# KiCad board PROC099A_PCB-PcbDoc.kicad_pcb (continued)
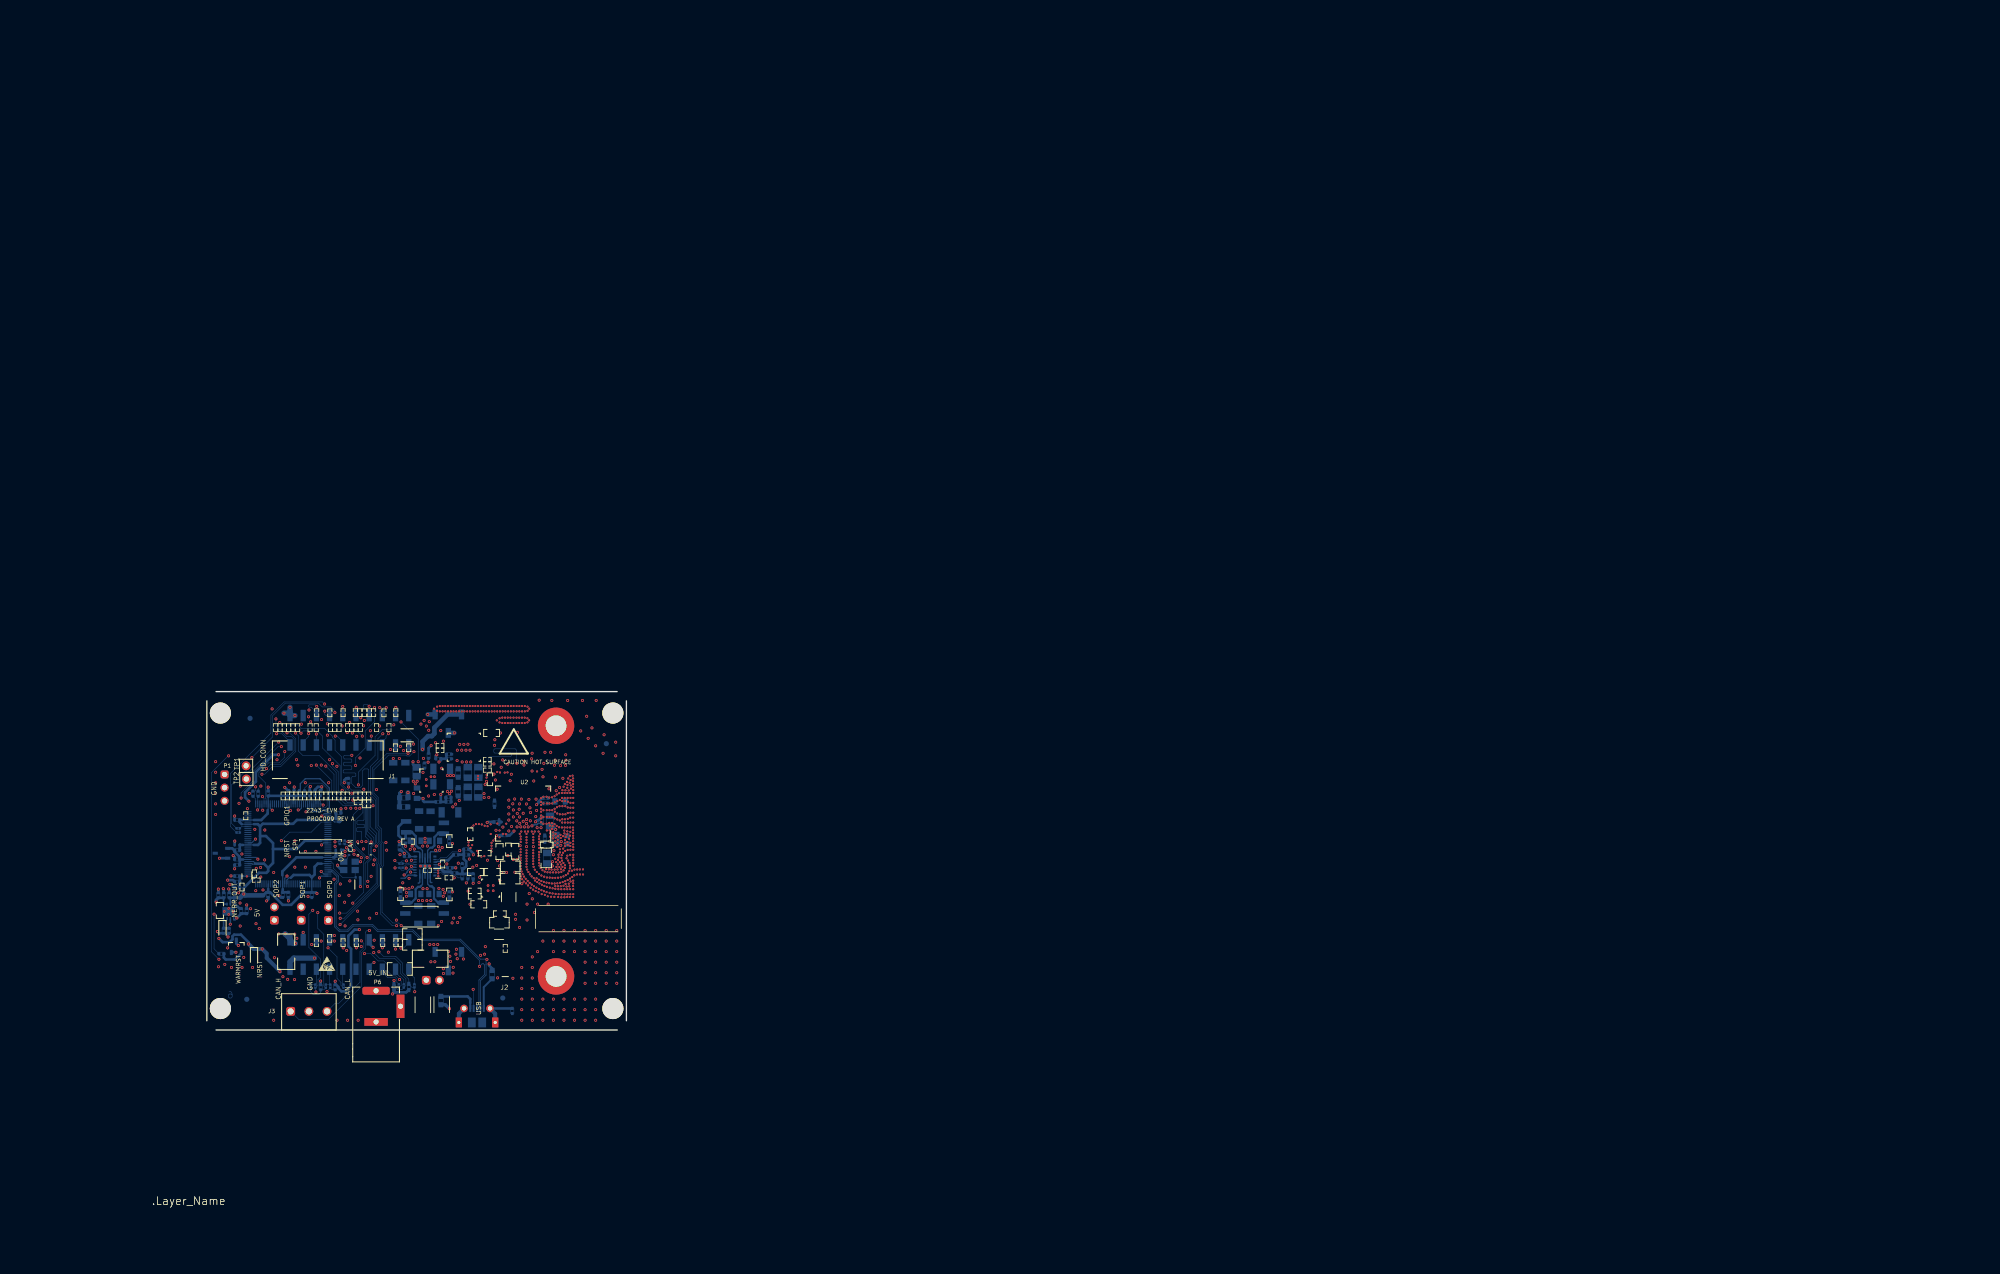
[diagram p0: board, top side]
## Routing (per net, layer and track width the routed paths; a pad name or vN(x,y) marks a point on that pad's centre or on a via; arc(x,y) is an arc through that point) (continued)
VBUS_1_DETECT: length 3.8
  Bottom w0.203: 6.89,29.63 U6.1
  Bottom w0.508: 6.33,27.44 6.33,28.54 6.34,28.55 6.34,29.62 6.35,29.63 6.89,29.63
VDDC_1: length 17.8
  Bottom w0.203: 22.21,33.23 24.31,33.23 ; 14.54,29.8 14.61,29.73 14.61,27.12
  Bottom w0.508: 14.61,27.12 14.61,26.52 14.62,26.52 15.71,26.52 ; 22.21,33.23 17.24,33.23 14.54,30.52 14.54,29.8 ; 24.83,34.64 C64.2 24.83,33.48 24.58,33.23 24.31,33.23
(no net): length 39.9
  In4.Cu w0.004: 45.27,49.35 arc(45.27,49.36) 45.27,49.36
  In4.Cu w0.005: 41.65,42.97 arc(41.65,42.97) 41.66,42.97
  In4.Cu w0.025: 45.18,45.04 arc(45.23,44.94) 45.27,44.83 arc(45.33,44.71) 45.39,44.58 arc(45.43,44.48) 45.45,44.38 arc(45.47,44.29) 45.47,44.2 arc(45.47,44.11) 45.46,44.02 arc(45.44,43.94) 45.43,43.86 arc(45.42,43.82) 45.4,43.78 ; 44.3,46.11 arc(44.28,46.07) 44.26,46.04 arc(44.25,46) 44.23,45.96 arc(44.22,45.93) 44.21,45.89 arc(44.2,45.87) 44.19,45.84 arc(44.18,45.77) 44.17,45.71 arc(44.16,45.63) 44.15,45.55 ; 45.23,43.78 arc(45.24,43.76) 45.26,43.75 arc(45.29,43.73) 45.32,43.73 arc(45.34,43.73) 45.37,43.74 arc(45.39,43.76) 45.4,43.78 ; 45.12,46.33 arc(45.1,46.3) 45.08,46.26 arc(45.05,46.21) 45.03,46.17 arc(45.01,46.12) 44.99,46.08 arc(44.96,45.99) 44.94,45.89 arc(44.91,45.79) 44.9,45.68 arc(44.89,45.58) 44.89,45.48 arc(44.89,45.38) 44.91,45.28 arc(44.92,45.21) 44.93,45.15 arc(44.95,45.09) 44.97,45.03 arc(44.99,44.97) 45.02,44.91 arc(45.05,44.84) 45.08,44.78 ; 41.65,42.99 arc(41.64,42.98) 41.65,42.97 ; 44.29,43.9 arc(44.3,43.92) 44.3,43.95 arc(44.31,43.97) 44.31,44 arc(44.32,44.04) 44.32,44.07 arc(44.32,44.09) 44.32,44.12 arc(44.33,44.19) 44.32,44.25 arc(44.31,44.31) 44.3,44.37 arc(44.28,44.45) 44.25,44.51 arc(44.21,44.61) 44.17,44.7 arc(44.12,44.79) 44.08,44.88 arc(44.06,44.93) 44.04,44.98 arc(44.02,45.03) 44.01,45.07 arc(43.99,45.13) 43.98,45.19 arc(43.97,45.25) 43.96,45.31 arc(43.96,45.38) 43.95,45.46 arc(43.95,45.53) 43.95,45.6 arc(43.95,45.65) 43.96,45.7 arc(43.98,45.8) 44,45.89 ; 44.17,45.27 arc(44.18,45.21) 44.2,45.15 arc(44.21,45.11) 44.22,45.06 arc(44.24,45.01) 44.26,44.96 arc(44.3,44.88) 44.35,44.79 arc(44.4,44.69) 44.44,44.58 ; 45.14,45.89 arc(45.12,45.8) 45.11,45.71 arc(45.1,45.62) 45.1,45.53 ; 49.08,42.71 arc(49.1,42.75) 49.11,42.79 arc(49.1,42.85) 49.07,42.91 arc(49.02,43.04) 48.96,43.15 ; 48.67,42.97 arc(48.69,42.99) 48.69,43.01 ; 41.99,44.21 arc(41.76,43.8) 41.53,43.39 arc(41.39,43.14) 41.26,42.89 ; 47.86,45.18 arc(47.85,45.21) 47.83,45.24 ; 45.25,44.36 arc(45.24,44.4) 45.23,44.44 arc(45.21,44.49) 45.19,44.54 arc(45.17,44.59) 45.14,44.65 arc(45.11,44.71) 45.08,44.78 ; 44.51,44.33 arc(44.52,44.25) 44.52,44.16 arc(44.52,44.05) 44.51,43.94 arc(44.5,43.87) 44.47,43.8 arc(44.45,43.76) 44.41,43.73 arc(44.38,43.72) 44.34,43.72 arc(44.32,43.73) 44.3,43.74 arc(44.29,43.76) 44.28,43.78 arc(44.28,43.8) 44.28,43.83 arc(44.28,43.86) 44.29,43.9 ; 44.44,44.58 arc(44.47,44.52) 44.49,44.45 arc(44.51,44.39) 44.51,44.33 ; 48.28,44.42 arc(48.18,44.6) 48.08,44.79 ; 45.18,45.04 arc(45.15,45.12) 45.13,45.19 arc(45.11,45.27) 45.1,45.34 arc(45.1,45.44) 45.1,45.53 ; 44,45.89 arc(44.02,45.98) 44.06,46.07 arc(44.09,46.15) 44.12,46.22 arc(44.16,46.28) 44.2,46.33 arc(44.21,46.35) 44.21,46.36 arc(44.22,46.36) 44.24,46.37 arc(44.24,46.37) 44.25,46.38 arc(44.26,46.38) 44.27,46.38 arc(44.29,46.38) 44.31,46.37 arc(44.33,46.36) 44.34,46.35 arc(44.36,46.34) 44.37,46.32 arc(44.37,46.31) 44.37,46.29 arc(44.37,46.28) 44.37,46.27 arc(44.36,46.25) 44.35,46.22 arc(44.34,46.2) 44.32,46.17 arc(44.31,46.14) 44.3,46.11 ; 44.17,45.27 arc(44.16,45.33) 44.15,45.4 arc(44.15,45.47) 44.15,45.55 ; 45.23,43.79 arc(45.22,43.82) 45.22,43.86 arc(45.23,43.91) 45.24,43.97 arc(45.25,44.01) 45.26,44.06 arc(45.26,44.11) 45.27,44.17 arc(45.26,44.22) 45.26,44.28 arc(45.26,44.32) 45.25,44.36 ; 45.27,46.19 arc(45.29,46.22) 45.3,46.25 arc(45.31,46.27) 45.32,46.29 arc(45.32,46.3) 45.31,46.32 arc(45.31,46.34) 45.29,46.36 arc(45.28,46.37) 45.27,46.38 arc(45.25,46.39) 45.23,46.39 arc(45.21,46.39) 45.19,46.39 arc(45.17,46.38) 45.15,46.37 arc(45.14,46.35) 45.12,46.33 ; 46.16,48.35 arc(46.18,48.3) 46.21,48.25 arc(46.35,47.99) 46.5,47.72 ; 45.78,49.05 arc(45.71,49.18) 45.64,49.3 arc(45.58,49.41) 45.52,49.52 arc(45.47,49.61) 45.42,49.7 arc(45.41,49.72) 45.39,49.74 arc(45.38,49.75) 45.36,49.76 ; 47.87,45.16 arc(47.88,45.15) 47.88,45.14 arc(47.89,45.13) 47.89,45.13 arc(47.89,45.12) 47.89,45.12 ; 45.27,49.36 arc(45.26,49.35) 45.25,49.35 ; 45.2,46.05 arc(45.17,45.97) 45.14,45.89 ; 45.36,49.76 arc(45.33,49.77) 45.31,49.78 arc(45.28,49.78) 45.26,49.79 arc(45.23,49.78) 45.2,49.78 arc(45.19,49.78) 45.19,49.77 arc(45.18,49.77) 45.17,49.77 arc(45.16,49.76) 45.15,49.75 arc(45.15,49.75) 45.14,49.74 arc(45.13,49.73) 45.12,49.71 ; 47.86,45.18 arc(47.87,45.17) 47.87,45.16 ; 48.96,43.15 arc(48.73,43.57) 48.51,43.99 ; 45.27,46.19 arc(45.23,46.12) 45.2,46.05
  In5.Cu w0.001: 10.63,33.48 arc(10.63,33.48) 10.63,33.48
  In5.Cu w0.1: 9.26,39.39 arc(9.3,39.28) 9.41,39.24 ; 12.05,33.51 arc(12,33.59) 11.9,33.63 ; 12.98,35.98 arc(12.98,35.94) 13,35.9 ; 10.12,41.99 arc(10.04,41.96) 9.99,41.89 ; 10.39,39.41 arc(10.29,39.38) 10.24,39.29 ; 10.08,36.21 arc(10,36.18) 9.96,36.11 ; 9.33,35.08 arc(9.31,35.16) 9.26,35.23 ; 12.36,41.89 arc(12.45,41.92) 12.5,41.99 ; 11.75,33.62 arc(11.75,33.62) 11.75,33.62 ; 12.91,39.24 arc(13.02,39.28) 13.06,39.39 ; 58.34,10.29 arc(58.62,10.41) 58.74,10.69 ; 13.06,41.89 arc(13.02,42) 12.91,42.04 ; 9.79,36.21 arc(9.84,36.13) 9.93,36.11 ; 10.65,41.89 arc(10.72,41.9) 10.78,41.94 arc(10.84,41.98) 10.91,41.99 ; 56.14,10.69 arc(56.26,10.41) 56.54,10.29 ; 51.87,35.02 arc(51.78,35.23) 51.57,35.32 ; 12.88,33.46 arc(12.98,33.5) 13.03,33.61 ; 10.5,33.62 arc(10.5,33.62) 10.5,33.62 arc(10.5,33.62) 10.5,33.62 arc(10.5,33.62) 10.49,33.62 arc(10.49,33.62) 10.49,33.62 arc(10.49,33.62) 10.49,33.62 arc(10.49,33.62) 10.49,33.62 arc(10.48,33.63) 10.48,33.63 arc(10.48,33.63) 10.48,33.63 ; 51.87,35.62 arc(51.96,35.41) 52.17,35.32 ; 9.26,34.48 arc(9.31,34.55) 9.33,34.63 ; 13.03,39.59 arc(13.02,39.56) 13.01,39.52 ; 9.41,42.04 arc(9.3,42) 9.26,41.89 ; 53.57,35.32 arc(53.78,35.41) 53.87,35.62 ; 13,33.81 arc(12.98,33.77) 12.98,33.73 ; 9.26,35.9 arc(9.27,35.94) 9.28,35.98 ; 11.78,39.41 arc(11.78,39.41) 11.78,39.41 ; 10.53,39.41 arc(10.53,39.41) 10.53,39.41 arc(10.53,39.41) 10.53,39.41 arc(10.53,39.41) 10.53,39.41 arc(10.53,39.41) 10.52,39.41 arc(10.52,39.41) 10.52,39.41 arc(10.52,39.41) 10.52,39.41 arc(10.52,39.41) 10.52,39.41 arc(10.51,39.41) 10.51,39.41 ; 12.96,40.42 arc(12.98,40.33) 13.03,40.26 ; 9.29,40.26 arc(9.34,40.33) 9.36,40.42 ; 13,35.23 arc(12.95,35.16) 12.93,35.08 ; 53.87,38.32 arc(53.96,38.11) 54.17,38.02 ; 10.54,39.41 arc(10.54,39.41) 10.54,39.41 ; 10.61,36.11 arc(10.68,36.12) 10.75,36.16 arc(10.81,36.19) 10.88,36.21 ; 12.33,41.89 arc(12.29,41.96) 12.21,41.99 ; 52.17,38.02 arc(51.96,37.93) 51.87,37.72 ; 9.36,40.87 arc(9.34,40.95) 9.29,41.02 ; 9.29,41.69 arc(9.31,41.72) 9.31,41.76 ; 51.57,38.02 arc(51.78,38.11) 51.87,38.32 ; 11.64,36.11 arc(11.57,36.12) 11.51,36.16 arc(11.45,36.19) 11.38,36.21 ; 53.87,37.72 arc(53.78,37.93) 53.57,38.02 ; 9.23,33.61 arc(9.27,33.5) 9.38,33.46 ; 12.3,36.11 arc(12.25,36.18) 12.17,36.21 ; 12.33,36.11 arc(12.41,36.13) 12.47,36.21 ; 13.03,41.02 arc(12.98,40.95) 12.96,40.87 ; 12.93,34.63 arc(12.95,34.55) 13,34.48 ; 11.76,33.62 arc(11.76,33.62) 11.76,33.62 arc(11.76,33.62) 11.76,33.62 arc(11.76,33.62) 11.76,33.62 arc(11.76,33.62) 11.77,33.62 arc(11.77,33.62) 11.77,33.62 arc(11.77,33.62) 11.77,33.63 arc(11.77,33.63) 11.77,33.63 arc(11.78,33.63) 11.78,33.63 ; 54.17,35.32 arc(53.96,35.23) 53.87,35.02 ; 12.08,39.29 arc(12.03,39.38) 11.93,39.41 ; 10.51,33.62 arc(10.51,33.62) 10.5,33.62 ; 11.81,39.41 arc(11.81,39.41) 11.81,39.41 arc(11.8,39.41) 11.8,39.41 arc(11.8,39.41) 11.8,39.41 arc(11.8,39.41) 11.8,39.41 arc(11.8,39.41) 11.79,39.41 arc(11.79,39.41) 11.79,39.41 arc(11.79,39.41) 11.79,39.41 arc(11.79,39.41) 11.79,39.41 ; 11.68,41.89 arc(11.6,41.9) 11.54,41.94 arc(11.48,41.98) 11.41,41.99 ; 13.03,36.11 arc(12.98,36.21) 12.88,36.26 ; 56.54,12.89 arc(56.26,12.77) 56.14,12.49 ; 9.82,41.99 arc(9.87,41.92) 9.96,41.89 ; 10.35,33.63 arc(10.26,33.59) 10.21,33.51 ; 13.01,41.76 arc(13.02,41.72) 13.03,41.69 ; 58.74,12.49 arc(58.62,12.77) 58.34,12.89 ; 9.28,33.73 arc(9.27,33.77) 9.26,33.81 ; 9.38,36.26 arc(9.27,36.21) 9.23,36.11 ; 9.31,39.52 arc(9.31,39.56) 9.29,39.59
  In5.Cu w0.127: 28.54,26.19 arc(28.58,26.1) 28.67,26.06 ; 79.78,23.35 arc(79.6,23.8) 79.15,23.98 ; 33.44,29.84 arc(33.4,29.92) 33.31,29.96 ; 33.31,26.06 arc(33.4,26.1) 33.44,26.19 ; 63.27,19.54 arc(63.46,19.09) 63.91,18.9 ; 63.91,23.98 arc(63.46,23.8) 63.27,23.35 ; 79.15,18.9 arc(79.6,19.09) 79.78,19.54 ; 28.67,29.96 arc(28.58,29.92) 28.54,29.84 ; 32.84,28.57 arc(32.25,29.16) 31.65,28.57 arc(32.25,27.97) 32.84,28.57
  In6.Cu w0.127: 48.4,-0.96 arc(48.53,-0.85) 48.58,-0.69 ; 55.48,-0.69 arc(55.53,-0.85) 55.65,-0.96
AR_1P3_RF1: length 3.4
  Bottom w0.508: R131.2 47.02,43.92 C46.2
  In7.Cu w0.254: U2.G5 U2.J5
  In7.Cu w0.381: U2.G5 63.25,41.02 v1(63.32,41.08) ; v1(63.48,42.27) 63.44,42.32 U2.J5
  vias: v1(46.74,45.51) v1(47.09,45.98) v2(68.38,44.69) v2(68.43,44.07) v2(68.9,44.69) v2(68.99,44.07) v2(69.46,44.68) v2(69.54,43.96)
AR_1P3_RF2: length 5.3
  In7.Cu w0.254: U2.C2 U2.D2
  In7.Cu w0.381: U2.D2 64.45,39.07 v1(64.34,38.95)
  In7.Cu w0.508: v1(64.34,38.95) 63.59,38.95 v1(63.58,38.96) ; v1(47.49,48.99) v1(46.9,48.99) v1(46.31,48.99) 46.09,48.77 46.09,48.02 45.35,47.28 45.25,47.28
AR_1V2: length 12.5
  Bottom w0.508: v1(53.58,47.28) 53.84,47.53 v1(53.84,47.87)
  In7.Cu w0.254: U2.P14 55.88,45.57 55.21,46.23 ; U2.R14 56.99,46.64 56.15,47.47
  In7.Cu w0.305: U2.R6 62.19,46.72 62.02,46.89 62.02,47.45 62.03,47.46
  In7.Cu w0.381: v1(58.13,40.42) 58.08,40.37 U2.F13 ; U2.N11 58.94,44.81 59.25,44.5 v1(59.25,44.48)
  In7.Cu w0.508: v1(55.54,48.13) 55.7,47.98 56.09,47.99 C4.1 56.15,47.47 ; 62.61,49.86 62.61,49.11 62.03,48.53 62.03,47.46 ; 62.61,49.86 62.66,49.86 ; 62.61,49.86 v1(62.6,49.86) ; 54.49,47.78 C6.1 55.21,46.94 55.21,46.23
  vias: v1(47.35,42.96) v1(47.88,43.49)
AR_1V4_APLL: length 2.1
  In7.Cu w0.508: 59.46,36.68 59.46,36.98 U2.A10
  In7.Cu w0.635: 59.46,36.68 59.22,36.45 59.22,35.34 C13.1
AR_1V4_SYNTH: length 2.5
  In7.Cu w0.254: 57.11,36.58 U2.A13
  In7.Cu w0.508: C14.1 56.34,35.82 57.11,36.58
AR_1V8: length 21.2
  Bottom w0.508: 64.66,44.65 64.53,44.65 63.85,43.97 63.85,43.75 v1(63.48,43.38) ; 56.27,40.04 C53.1 56.76,40.04 ; 56.27,40.04 56.27,40.58 ; 56.27,40.04 56.27,39.51 ; C51.1 64.43,40.96 63.84,40.38 63.57,40.38 v1(63.28,40.09)
  In7.Cu w0.254: 58.21,36.42 58.94,37.15 U2.B11 ; U2.B12 58.29,37.15 57.63,36.48 57.63,36.14 ; 58.09,32.84 58.61,33.36 58.61,34.87 58.23,35.25 58.05,35.25
  In7.Cu w0.305: U2.F5 63.01,40.37
  In7.Cu w0.381: 58.21,36.42 58.21,35.41 58.05,35.25 ; U2.K13 58.05,42.97 v1(58.13,42.89) ; 63.01,40.37 v1(63.28,40.09) ; v1(63.48,43.38) 63.07,42.97 U2.K5 ; v1(58.66,39.18) 58.55,39.07 U2.D13
  In7.Cu w0.508: 57.26,32.44 57.26,35.77 57.63,36.14 ; v1(52.52,29.4) C91.2 ; 58.09,32.84 57.78,32.53 57.78,32.31
  vias: v1(56.35,31.59) v1(56.41,28.78) v1(56.68,30.3) v1(57.7,30.32)
AR_ANAMUX: length 57.7
  In2.Cu w0.127: v1(58.13,38.32) 56.95,38.32 56.11,39.16 12.82,39.16 12.39,39.59 7.95,39.59 3.4,44.13
  In7.Cu w0.102: v1(58.13,38.32) 58.04,38.42 U2.C13
AR_ANATEST1: length 97.1
  In2.Cu w0.127: v1(68.09,50.9) 68.09,50.08 67.99,49.98 67.99,48.25 70.48,45.77 70.48,32.27 67.45,29.24 63.07,29.24 56.63,22.8 56.63,12.91 54.25,10.52 51.52,10.52 50.17,11.88 50.17,14.67 48.33,16.51 45.95,16.51 43.18,13.74 27.02,13.74 23.65,17.12 v1(22.02,17.12)
  In7.Cu w0.102: R104.2 21.76,17.14 21.76,17.12 v1(22.02,17.12) ; v1(68.09,50.9) 67.73,50.54 67.73,48.28 66.92,47.48 66.92,46.88 65.61,45.57 U2.P1
AR_ANATEST2: length 91
  In2.Cu w0.127: v1(67.13,48.67) 70.06,45.74 70.06,32.49 67.26,29.68 62.95,29.68 56.26,23 56.26,12.99 54.2,10.92 51.79,10.92 50.57,12.14 50.57,14.94 47.97,17.54 36.5,17.54 33.15,14.18 27.08,14.18 25.19,16.08 25.19,17.55 v1(24.56,18.19)
  In7.Cu w0.102: v1(67.13,48.67) 66.74,48.28 66.74,47.97 65.12,46.34 65.12,45.89 U2.P2 ; v1(24.56,18.19) 23.86,18.19 R94.2
AR_ANATEST3: length 93.2
  In2.Cu w0.127: v1(26.91,15.32) 27.53,15.32 27.8,15.05 29.74,15.05 31.12,16.44 33.1,16.44 34.73,18.06 48.14,18.06 50.96,15.24 50.96,12.35 51.99,11.32 54.13,11.32 55.85,13.04 55.85,24.13 61.77,30.05 66.99,30.05 69.63,32.7 69.63,42.01 65.42,46.22 65.42,47.11 66.3,47.99 66.3,50.36 v1(66.91,50.97)
  In7.Cu w0.102: U2.P3 64.47,45.9 64.47,46.47 66.11,48.11 66.11,50.17 v1(66.91,50.97) ; R105.2 26.26,17.14 26.91,16.49 v1(26.91,15.32)
AR_ANATEST4: length 90.6
  In2.Cu w0.127: v1(67.05,51.97) 65.92,50.84 65.92,48.14 65.09,47.31 65.09,46.06 69.16,42 69.16,32.92 66.84,30.6 61.67,30.6 55.44,24.37 55.44,13.07 54.09,11.72 52.14,11.72 51.31,12.55 51.31,15.62 48.32,18.61 34.65,18.61 32.81,16.77 30.42,16.77 v1(29.72,16.07)
  In7.Cu w0.102: R106.2 28.81,17.14 29.27,16.68 29.27,16.51 v1(29.72,16.07) ; v1(67.05,51.97) 67.44,51.58 67.44,50.4 66.4,49.36 66.4,48.09 64.79,46.48 U2.R2
AR_BSS_LOGGER: length 87.1
  In2.Cu w0.127: v1(64.87,51.34) 63.5,52.7 61.4,52.7 60.59,53.51 60.59,55.12 56.14,59.57 47.74,59.57 45.02,56.84 38.77,56.84 36.31,59.3 35.63,59.3 34.87,58.53 v1(33.26,58.53) 31.04,58.53 30.54,58.03 28.61,58.03 28.44,58.2 26.72,58.2 26.55,58.03 21.33,58.03 19.15,55.86 14.97,55.86 14.56,55.45 v1(13.84,55.45)
  Bottom w0.102: v1(13.84,55.45) 8.12,49.73 7.29,49.73 4.77,47.21 4.77,39.76 R135.1
  In7.Cu w0.102: v1(64.87,51.34) 65.23,50.98 65.23,48.15 63.49,46.4 U2.R4
  In7.Cu w0.127: v1(33.26,58.53) 32.72,58.53 32.65,58.46
AR_CS1: length 71.1
  In2.Cu w0.102: v1(29.72,33.18) 29.31,33.18 29.15,33.02 28.3,33.02 27.65,33.67 27.65,34.64 28.38,35.37 31.54,35.37 34.24,38.08 52.9,38.08 54.17,36.81 63.98,36.81 66.71,39.54 66.71,44.04 64.78,45.98 64.78,47.49 65.49,48.21 65.49,51.47 63.82,53.14 63.24,53.14 63.09,53.29 v1(62.61,53.29)
  In7.Cu w0.102: v1(62.61,53.29) 61.95,52.63 61.95,51.8 62.21,51.55 62.21,50.66 61.3,49.75 61.3,46.72 61.42,46.59 61.42,46.33 U2.R7 ; U13.10 30.14,33.6 v1(29.72,33.18)
AR_GPIO_0: length 94.4
  In2.Cu w0.127: v1(68.54,48.46) 70.93,46.06 70.93,32.08 67.64,28.79 63.22,28.79 57.03,22.6 57.03,12.83 54.23,10.03 50.45,10.03 48.26,7.83 40.38,7.83 38.5,9.72 v1(37.1,9.72)
  In3.Cu w0.152: v1(68.54,48.46) 67.89,47.8 66.1,47.8 63.42,45.12 63.42,44.49 v1(63.38,44.45)
  Bottom w0.102: R164.1 37.41,8.6 37.41,9.41 v1(37.1,9.72) 36.39,10.43 35.71,10.43 34.78,11.36 34.78,12.59 34.07,13.3 32.97,13.3 31.56,14.71 v1(30.35,14.71)
  In7.Cu w0.102: v1(30.35,14.71) 30.35,17.92 31.01,18.58 31.42,18.58 31.84,19 31.84,19.24 33.33,20.72 R177.2 ; U2.N4 63.49,44.56 v1(63.38,44.45)
AR_GPIO_1: length 95.5
  In2.Cu w0.102: v1(7.81,42.61) 8.75,43.55 8.75,47.31 9.3,47.85 9.3,51.83 v1(8.68,52.45)
  In2.Cu w0.127: v1(66.19,53.47) 65.66,53.99 65.25,53.99 55.6,63.64 26.63,63.64 24.66,61.67 v1(24.66,61.11)
  In3.Cu w0.152: v1(66.19,53.47) 66.19,48.57 v1(62.01,44.39)
  Bottom w0.102: 24.48,61.01 24.57,61.11 v1(24.66,61.11) 24.66,61.44 23.9,62.2 22.22,62.2 21.49,62.93 15.1,62.93 12.59,60.43 12.59,56.36 v1(8.68,52.45)
  In7.Cu w0.102: R72.2 7.81,41.89 v1(7.81,42.61) ; U2.N7 62.01,44.45 v1(62.01,44.39) ; v1(24.66,61.11) 24.29,60.74 R9.2
AR_GPIO_2: length 114.4
  In2.Cu w0.127: v1(40.69,51.65) 39.82,50.78 32.83,50.78 30.09,53.52 17.37,53.52 15.08,51.23 11.63,51.23 9.65,53.21 4.62,53.21 v1(4.18,52.78)
  Bottom w0.102: v1(4.18,52.78) 4.11,52.78 0.87,49.54 0.87,15.08 v1(2.33,13.61) ; v1(40.69,51.65) 40.69,56 v1(37.38,59.31)
  In7.Cu w0.102: 2.33,15.81 2.33,15.8 v1(2.33,13.61) ; U2.N13 57.44,44.92 57.12,45.24 55.62,45.24 54.12,46.74 52.54,46.74 48.3,50.98 47.39,50.98 46.76,51.61 45.73,51.61 45.22,52.11 42.37,52.11 41.91,51.65 v1(40.69,51.65) ; v1(37.38,59.31) 37.38,59.76 R8.2
AR_HOSTINTR1: length 61.8
  In2.Cu w0.127: v1(62.51,52.2) 61.49,52.2 59.81,53.88 59.81,55.32 55.96,59.17 47.84,59.17 45,56.33 38.41,56.33 v1(35.99,58.76)
  Bottom w0.102: v1(29.18,47.19) 29.18,49.66 32.38,52.86 32.38,56.44 33.74,57.81 35.03,57.81 v1(35.99,58.76)
  In7.Cu w0.102: R64.2 28.9,44.74 29.1,44.93 29.1,47.12 v1(29.18,47.19) ; R13.2 33.72,60.37 R10.2 34.5,60.33 34.82,60.33 35.99,59.16 v1(35.99,58.76) ; v1(62.51,52.2) 62.51,50.67 61.5,49.67 61.5,46.9 61.87,46.53 61.87,45.89 U2.P6
AR_LVDS_VALID_N: length 49
  In7.Cu w0.102: 56.17,44.59 56.66,44.59 U2.N14
  In7.Cu w0.132: 56.17,44.59 55.25,44.59 53.84,46 53.1,46 52.65,45.56 51.24,45.56 50.74,46.06 50.74,47.43 50.58,47.59 50.36,47.59 50.21,47.43 50.21,45.85 49.41,45.05 48.17,45.05 46.6,43.48 38.38,43.48 37.42,44.44 35.96,44.44 35.62,44.78 35.62,47.38 35.22,47.78 34.3,47.78 33.93,47.41 33.93,42.9 32.62,41.59 24.93,41.59 24.59,41.92 R60.2
AR_LVDS_VALID_P: length 49
  In7.Cu w0.132: U2.N15 56.24,44.92 56.17,44.85 55.36,44.85 53.94,46.26 52.99,46.26 52.55,45.82 51.34,45.82 51,46.17 51,47.54 50.69,47.85 50.25,47.85 49.95,47.54 49.95,45.96 49.3,45.31 48.07,45.31 46.49,43.74 38.48,43.74 37.53,44.69 36.07,44.69 35.87,44.89 35.87,47.49 35.33,48.04 34.19,48.04 33.67,47.52 33.67,43.01 32.51,41.85 25.03,41.85 24.85,42.03 24.85,43.4 25.09,43.64 25.64,43.64 25.77,43.77 25.77,44.01 25.64,44.15 25.34,44.15 25.22,44.27 25.22,44.54 R61.2
AR_LVDSCSI0_N: length 49
  In7.Cu w0.132: U2.G14 56.64,40.66 51.64,40.66 49.12,38.13 39.38,38.13 38.25,37 19.25,37 14.9,41.34 14.9,44.52 R48.2
AR_LVDSCSI0_P: length 49
  In7.Cu w0.132: U2.G15 56.03,41.02 55.93,40.92 51.54,40.92 49.01,38.39 39.27,38.39 38.14,37.26 19.36,37.26 15.16,41.45 15.16,43.61 15.29,43.74 15.86,43.74 16,43.87 16,44.09 15.86,44.22 15.46,44.22 15.32,44.35 15.32,44.54 R49.2
AR_LVDSCSI1_N: length 49
  In7.Cu w0.102: 56.16,41.34 56.66,41.34 U2.H14
  In7.Cu w0.132: R50.2 16.37,44.74 16.55,44.55 16.55,40.88 16.89,40.54 17.31,40.54 17.75,40.97 17.95,40.97 18.13,40.79 18.13,40.6 17.69,40.16 17.69,39.76 19.86,37.59 37.6,37.59 38.84,38.83 48.88,38.83 51.4,41.35 56.15,41.35 56.16,41.34
AR_LVDSCSI1_P: length 49
  In7.Cu w0.132: R51.2 16.99,44.55 16.99,44.35 17.09,44.25 17.51,44.25 17.67,44.08 17.67,43.9 17.54,43.76 16.96,43.76 16.81,43.62 16.81,40.98 17,40.79 17.21,40.79 17.64,41.23 18.06,41.23 18.39,40.9 18.39,40.5 17.95,40.05 17.95,39.87 19.97,37.85 37.49,37.85 38.73,39.09 48.77,39.09 51.29,41.61 56.28,41.61 U2.H15
AR_LVDSCSI2_N: length 49
  In7.Cu w0.102: 56.16,42.64 56.66,42.64 U2.K14
  In7.Cu w0.132: R54.2 19.66,41.62 22.5,38.78 22.98,38.78 23.28,39.09 23.28,39.46 23.44,39.61 23.66,39.61 23.81,39.46 23.81,39.09 24.12,38.78 24.55,38.78 24.86,39.09 24.86,39.46 25.01,39.61 25.23,39.61 25.39,39.46 25.39,39.09 25.69,38.78 26.13,38.78 26.43,39.09 26.43,39.46 26.59,39.61 26.81,39.61 26.96,39.46 26.96,39.09 27.27,38.78 27.7,38.78 28.01,39.09 28.01,39.46 28.16,39.61 28.38,39.61 28.54,39.46 28.54,39.09 28.84,38.78 29.28,38.78 29.58,39.09 29.58,39.46 29.74,39.61 29.96,39.61 30.11,39.46 30.11,39.09 30.42,38.78 36.67,38.78 38,40.11 48.09,40.11 50.69,42.71 56.09,42.71 56.16,42.64
AR_LVDSCSI2_P: length 49
  In7.Cu w0.132: U2.K15 50.58,42.97 47.99,40.37 37.89,40.37 36.56,39.04 30.52,39.04 30.37,39.19 30.37,39.57 30.06,39.87 29.63,39.87 29.32,39.57 29.32,39.19 29.17,39.04 28.95,39.04 28.8,39.19 28.8,39.57 28.49,39.87 28.06,39.87 27.75,39.57 27.75,39.19 27.59,39.04 27.38,39.04 27.22,39.19 27.22,39.57 26.91,39.87 26.48,39.87 26.17,39.57 26.17,39.19 26.02,39.04 25.8,39.04 25.65,39.19 25.65,39.57 25.34,39.87 24.91,39.87 24.6,39.57 24.6,39.19 24.44,39.04 24.23,39.04 24.07,39.19 24.07,39.57 23.76,39.87 23.33,39.87 23.02,39.57 23.02,39.19 22.87,39.04 22.61,39.04 19.92,41.73 19.92,43.42 20.19,43.69 20.77,43.69 20.9,43.82 20.9,44.04 20.77,44.17 20.45,44.17 20.31,44.3 20.31,44.56 R55.2
AR_LVDSCSI3_N: length 49
  In7.Cu w0.102: U2.L14 56.66,43.29 56.16,43.29
  In7.Cu w0.132: 56.16,43.29 56.09,43.36 50.35,43.36 47.71,40.72 43.45,40.72 43.15,41.02 43.15,41.72 43.01,41.85 42.75,41.85 42.62,41.72 42.62,41 42.33,40.72 41.85,40.72 41.57,41 41.57,41.72 41.44,41.85 41.17,41.85 41.04,41.72 41.04,41 40.76,40.72 40.28,40.72 40,41 40,41.72 39.86,41.85 39.6,41.85 39.47,41.72 39.47,41 39.18,40.72 38.68,40.72 38.42,40.98 38.42,41.72 38.29,41.85 38.02,41.85 37.89,41.72 37.89,41.02 36.29,39.42 31.26,39.42 30.47,40.21 22.06,40.21 21.3,40.97 21.3,44.73 R56.2
AR_LVDSCSI3_P: length 49
  In7.Cu w0.132: R57.2 21.96,44.58 21.96,44.37 22.07,44.27 22.42,44.27 22.55,44.14 22.55,43.92 22.39,43.76 21.84,43.76 21.56,43.48 21.56,41.07 22.16,40.47 30.58,40.47 31.36,39.68 36.18,39.68 37.63,41.13 37.63,41.83 37.92,42.11 38.4,42.11 38.68,41.83 38.68,41.09 38.79,40.98 39.08,40.98 39.21,41.11 39.21,41.83 39.49,42.11 39.97,42.11 40.25,41.83 40.25,41.11 40.39,40.98 40.65,40.98 40.78,41.11 40.78,41.83 41.07,42.11 41.55,42.11 41.83,41.83 41.83,41.11 41.96,40.98 42.23,40.98 42.36,41.11 42.36,41.83 42.64,42.11 43.12,42.11 43.4,41.83 43.4,41.13 43.56,40.98 47.61,40.98 50.25,43.62 U2.L15
AR_LVDSCSI_CLK_N: length 49
  In7.Cu w0.102: U2.J14 56.66,41.99 56.16,41.99
  In7.Cu w0.132: 56.16,41.99 56.09,42.06 51.15,42.06 48.53,39.44 38.32,39.44 37.03,38.15 20.17,38.15 19.7,38.61 19.7,39.01 20.45,39.77 20.45,39.98 20.3,40.14 20.08,40.14 19.3,39.36 18.9,39.36 18.56,39.7 18.56,40.1 19.04,40.58 19.04,40.8 18.08,41.76 18.08,44.65 R52.2
AR_LVDSCSI_CLK_P: length 49
  In7.Cu w0.132: R53.2 18.64,44.55 18.64,44.35 18.77,44.22 19.09,44.22 19.25,44.06 19.25,43.87 19.11,43.74 18.47,43.74 18.34,43.61 18.34,41.87 19.3,40.91 19.3,40.47 18.82,39.99 18.82,39.81 19.01,39.62 19.19,39.62 19.97,40.4 20.4,40.4 20.71,40.09 20.71,39.66 19.96,38.91 19.96,38.72 20.27,38.4 36.92,38.4 38.21,39.7 48.42,39.7 51.04,42.32 U2.J15
AR_LVDSCSI_FRCLK_N: length 49
  In7.Cu w0.102: 56.16,43.94 56.66,43.94 U2.M14
  In7.Cu w0.132: 56.16,43.94 56.09,44.01 50.02,44.01 47.64,41.62 44.5,41.62 43.59,42.53 37.39,42.53 36.53,43.4 36.34,43.4 36.15,43.2 36.15,43.02 37.25,41.93 37.25,41.49 36.94,41.19 36.51,41.19 35.15,42.55 34.92,42.55 34.76,42.39 34.76,42.15 35.92,40.98 35.92,40.58 35.57,40.23 35.09,40.23 35.07,40.25 33.82,41.5 33.52,41.5 33.35,41.33 33.35,40.7 32.69,40.03 31.77,40.03 30.9,40.9 23.42,40.9 22.94,41.38 R58.2
AR_LVDSCSI_FRCLK_P: length 49
  In7.Cu w0.132: R59.2 23.56,44.53 23.56,44.33 23.7,44.2 23.97,44.2 24.13,44.04 24.13,43.85 23.97,43.69 23.34,43.69 23.2,43.55 23.2,41.48 23.53,41.16 31.01,41.16 31.88,40.29 32.58,40.29 33.09,40.8 33.09,41.44 33.41,41.76 33.93,41.76 35.2,40.49 35.46,40.49 35.66,40.69 35.66,40.88 34.5,42.04 34.5,42.5 34.81,42.81 35.25,42.81 36.61,41.45 36.83,41.45 36.99,41.6 36.99,41.82 35.89,42.91 35.89,43.31 36.24,43.65 36.63,43.65 37.5,42.79 43.7,42.79 44.61,41.88 47.53,41.88 49.92,44.27 U2.M15
AR_MCUCLKOUT: length 62.8
  In2.Cu w0.127: v1(65.09,53.47) 55.29,63.27 27.9,63.27 25.2,60.56 22.89,60.56 v1(22.09,59.77)
  In3.Cu w0.127: v1(60.55,44.46) 61.53,45.44 62.31,45.44 65.65,48.78 65.65,52.91 v1(65.09,53.47)
  In7.Cu w0.102: R25.1 21.53,58.55 22.09,59.11 v1(22.09,59.77) ; v1(60.55,44.46) 60.55,44.61 U2.N9
AR_MISO1: length 73.3
  In2.Cu w0.102: v1(30.64,36.27) 29.91,37.01 19.83,37.01 19.51,37.32 19.51,38.48 19.79,38.77 55.14,38.77 55.26,38.88 55.89,38.88 57.15,37.61 63.78,37.61 65.68,39.51 65.68,44.29 64.11,45.86 64.11,46.77 v1(62.93,47.94)
  In7.Cu w0.102: v1(62.93,47.94) 62.93,46.76 62.52,46.35 62.52,45.88 U2.P5 ; v1(30.64,36.27) 30.64,35.9 30.54,35.8 U13.2
AR_MOSI1: length 87.6
  In2.Cu w0.102: v1(61.15,51.75) 62.2,50.7 64.77,50.7 65.24,50.23 65.24,48.4 64.44,47.59 64.44,45.91 66.29,44.06 66.29,39.61 63.85,37.17 56.87,37.17 56.09,37.96 53.68,37.96 53.21,38.43 20.04,38.43 19.86,38.25 19.86,37.49 20.05,37.3 30.98,37.3 31.12,37.16 31.12,35.77 31.05,35.7 29.58,35.7 v1(29.04,36.23)
  In7.Cu w0.102: U13.5 29.01,35.39 28.74,35.66 28.74,35.93 v1(29.04,36.23) ; U2.R8 60.89,49.92 61.65,50.68 61.65,51.25 v1(61.15,51.75)
AR_MSS_LOGGER: length 98
  In2.Cu w0.127: v1(64.53,50.17) 63.61,49.25 61.72,49.25 61.19,48.72 54.89,48.72 54.78,48.83 49.46,48.83 45.8,52.49 43.02,52.49 42.32,53.19 40.82,53.19 40.36,52.73 39.43,52.73 38.22,51.52 33.25,51.52 30.35,54.42 25.56,54.42 v1(23.21,56.77)
  Bottom w0.102: v1(22.68,62.76) 22.28,63.16 14.87,63.16 12.34,60.63 12.34,57.18 4.51,49.36 4.51,39.21 R136.1
  In7.Cu w0.102: R26.1 23.76,58.55 23.33,58.13 23.33,57.57 23.5,57.4 23.5,57.06 v1(23.21,56.77) 22.61,57.37 22.61,60.57 22.19,60.99 22.19,62.27 v1(22.68,62.76) ; v1(64.53,50.17) 64.53,49.65 64.18,49.3 64.18,47.7 62.84,46.36 U2.R5
